# KiCad board st225_20301.kicad_pcb

Outline 136.78 x 199.14 mm; copper layers: Top, Bottom. Coordinates in mm from the lower left corner of the outline.
Outline path: 30.35,139.06 3.17,139.06 3.17,134.75 arc(2.77,133.76) 1.78,133.35 0,133.35 0,98.04 1.65,98.04 arc(2.64,97.63) 3.05,96.65 3.05,86.74 3.33,86.74 arc(4.32,86.33) 4.73,85.34 4.73,66.42 arc(4.32,65.43) 3.33,65.02 3.05,65.02 3.05,55.25 arc(2.64,54.26) 1.65,53.85 0,53.85 0,28.19 5.84,28.19 5.84,12.32 1.52,12.32 1.52,2.16 3.56,0.13 26.54,0.13 28.7,2.29 28.7,8.76 arc(29.11,9.75) 30.1,10.16 59.05,10.16 arc(60.04,9.75) 60.45,8.76 60.45,2.16 62.48,0.13 104.27,0.13 105.54,1.4 105.54,8.76 arc(105.95,9.75) 106.93,10.16 110.49,10.16 arc(111.48,9.75) 111.89,8.76 111.89,1.4 arc(112.3,0.41) 113.28,0 135.38,0 arc(136.37,0.41) 136.78,1.4 136.78,12.32 130.94,12.32 130.94,28.19 136.78,28.19 136.78,53.98 135.13,53.98 arc(134.14,54.38) 133.73,55.37 133.73,65.15 133.45,65.15 arc(132.46,65.56) 132.05,66.55 132.05,85.47 arc(132.46,86.46) 133.45,86.87 133.73,86.87 133.73,96.77 arc(134.14,97.76) 135.13,98.17 136.78,98.17 136.78,133.22 135.13,133.22 arc(134.14,133.63) 133.73,134.62 133.73,144.4 133.45,144.4 arc(132.46,144.81) 132.05,145.8 132.05,164.72 arc(132.46,165.71) 133.45,166.12 133.73,166.12 133.73,176.02 arc(134.14,177.01) 135.13,177.42 136.78,177.42 136.78,193.04 130.68,199.14 54.48,199.14 54.48,172.89 arc(50.84,149.97) 30.35,139.07 ; 66.93,81.41 69.98,81.41 69.98,75.06 arc(68.45,66.9) 66.93,75.06 66.93,81.41
Stack: Top 0.035mm / dielectric 1.51mm FR4 er 4.5 / Bottom 0.035mm

## Placement (name value [footprint] x y rotation side)
1D1  74123  [DIP254P762X635-16]  88.9 15.37 180 top
1E1  7406  [DIP254P762X635-14]  78.74 15.37 180 top
1F1  7438  [DIP254P762X635-14]  64.9 15.37 180 top
1H1  7406  [DIP254P762X635-14]  30.22 17.78 180 top
1J1  7438  [DIP254P762X635-14]  20.18 19.17 180 top
2H1  74LS74  [DIP254P762X635-14]  33.02 38.23 180 top
2J1  74HC74  [DIP254P762X635-14]  17.52 43.3 180 top
3J1  74LS14  [DIP254P762X635-14]  22.85 66.29 180 top
4A1  75453  [DIP254P762X635-8]  129.66 94.09 180 top
4B1  11695-002  [DIP254P762X635-8]  114.3 96.65 180 top
4H1  7445  [DIP254P762X635-16]  30.72 86.6 180 top
4J1  7409  [DIP254P762X635-14]  20.44 89.15 180 top
5B1  6500/1  [DIP254P1524X635-40]  119.51 127.13 270 top
5F1  ~  [DIP254P762X635-14]  62.35 111.88 180 top
5G1  091-001  [DIP254P762X635-14]  47.36 108.2 180 top
5H1  SSI 280  [DIP254P1524X635-28]  35.7 123.32 270 top
6D1  74273  [DIP254P762X635-20]  94.23 137.29 270 top
7D1  2716  [DIP254P1524X635-24]  91.7 156.47 270 top
8B1  7445  [DIP254P762X635-16]  113.41 167.64 180 top
8C1  7445  [DIP254P762X635-16]  103.24 162.68 180 top
8D1  11665-001  [DIP254P762X635-16]  88 160.27 180 top
9E1  11642-001  [DIP254P762X635-20]  79.27 189.35 270 top
C1  0.1uF  [C_Axial_L3.8mm_D2.6mm_P10.00mm_Horizontal]  63.25 179.24 270 top
C2  0.01uF  [C_Axial_L3.8mm_D2.6mm_P12.50mm_Horizontal]  65.53 119.59 90 top
C3  100pF  [C_Axial_L3.8mm_D2.6mm_P10.00mm_Horizontal]  52.83 139.02 90 top
C4  ?  [C_Axial_L3.8mm_D2.6mm_P10.00mm_Horizontal]  60.58 179.24 270 top
C5  ?  [C_Axial_L3.8mm_D2.6mm_P10.00mm_Horizontal]  58.04 179.24 270 top
C6  22pF  [C_Axial_L3.8mm_D2.6mm_P10.00mm_Horizontal]  63.96 191.9 0 top
C7  330pF  [C_Axial_L3.8mm_D2.6mm_P10.00mm_Horizontal]  50.21 129.79 180 top
C8  0.1uF  [C_Axial_L3.8mm_D2.6mm_P10.00mm_Horizontal]  37.97 106.09 270 top
C9  270pF  [C_Axial_L3.8mm_D2.6mm_P10.00mm_Horizontal]  33.07 128.4 180 top
C10  0.1uF  [C_Axial_L3.8mm_D2.6mm_P10.00mm_Horizontal]  15.41 135.51 180 top
C11  1uF  [C_Axial_L3.8mm_D2.6mm_P15.00mm_Horizontal]  19.55 135.51 0 top
C12  1uF  [C_Axial_L3.8mm_D2.6mm_P15.00mm_Horizontal]  20.33 129.16 180 top
C13  0.1uF  [C_Axial_L3.8mm_D2.6mm_P10.00mm_Horizontal]  15.41 132.33 180 top
C14  39pF  [C_Axial_L3.8mm_D2.6mm_P10.00mm_Horizontal]  35.56 95.46 90 top
C15  41pF  [C_Axial_L3.8mm_D2.6mm_P10.00mm_Horizontal]  4.57 91.22 90 top
C16  0.1uF  [C_Axial_L3.8mm_D2.6mm_P10.00mm_Horizontal]  7.75 94.44 90 top
C17  0.068uF  [C_Axial_L3.8mm_D2.6mm_P12.50mm_Horizontal]  12.7 73.51 90 top
C18  0.1uF  [C_Axial_L3.8mm_D2.6mm_P10.00mm_Horizontal]  126.16 194.69 180 top
C19  0.012uF  [C_Axial_L3.8mm_D2.6mm_P10.00mm_Horizontal]  63.96 196.85 0 top
C20  0.1uF  [C_Axial_L3.8mm_D2.6mm_P12.50mm_Horizontal]  100.84 106.71 270 top
C22  100pF  [C_Axial_L3.8mm_D2.6mm_P10.00mm_Horizontal]  91.31 39.29 270 top
C23  47uF  [C_Axial_L5.1mm_D3.1mm_P15.00mm_Horizontal]  97.03 27.93 90 top
C24  100uF  [C_Axial_L12.0mm_D6.5mm_P20.00mm_Horizontal]  126.24 12.1 90 top
C25  10uF  [C_Axial_L5.1mm_D3.1mm_P15.00mm_Horizontal]  115.07 16 180 top
C26  47uF  [C_Axial_L5.1mm_D3.1mm_P15.00mm_Horizontal]  115.07 19.69 180 top
C27  0.1uF  [C_Axial_L3.8mm_D2.6mm_P10.00mm_Horizontal]  121.92 12.02 90 top
C28  0.1uF  [C_Axial_L3.8mm_D2.6mm_P10.00mm_Horizontal]  53.34 25.35 90 top
C29  0.1uF  [C_Axial_L3.8mm_D2.6mm_P10.00mm_Horizontal]  121.92 24.84 90 top
C30  0.1uF  [C_Axial_L3.8mm_D2.6mm_P10.00mm_Horizontal]  67.64 160.02 0 top
C31  0.1uF  [C_Axial_L3.8mm_D2.6mm_P12.50mm_Horizontal]  100.68 91.57 0 top
C32  0.1uF  [C_Axial_L3.8mm_D2.6mm_P10.00mm_Horizontal]  24.05 15.37 180 top
C33  0.1uF  [C_Axial_L3.8mm_D2.6mm_P10.00mm_Horizontal]  33.02 25.35 90 top
C34  0.1uF  [C_Axial_L3.8mm_D2.6mm_P10.00mm_Horizontal]  72.47 11.3 0 top
C35  0.1uF  [C_Axial_L3.8mm_D2.6mm_P10.00mm_Horizontal]  115.36 12.19 180 top
C36  0.1uF  [C_Axial_L3.8mm_D2.6mm_P10.00mm_Horizontal]  10.24 40.01 0 top
C37  0.1uF  [C_Axial_L3.8mm_D2.6mm_P10.00mm_Horizontal]  15.15 62.36 0 top
C38  0.1uF  [C_Axial_L3.8mm_D2.6mm_P10.00mm_Horizontal]  10.16 94.39 90 top
C39  0.1uF  [C_Axial_L3.8mm_D2.6mm_P10.00mm_Horizontal]  122.63 105.54 0 top
C40  0.1uF  [C_Axial_L3.8mm_D2.6mm_P10.00mm_Horizontal]  90.22 109.22 180 top
C41  0.1uF  [C_Axial_L3.8mm_D2.6mm_P10.00mm_Horizontal]  118.16 132.33 180 top
C42  0.1uF  [C_Axial_L3.8mm_D2.6mm_P10.00mm_Horizontal]  109.39 153.8 180 top
C44  0.033uF  [C_Axial_L3.8mm_D2.6mm_P10.00mm_Horizontal]  2.29 40.59 90 top
CR1  1N4148  [D_DO-35_SOD27_P10.16mm_Horizontal]  108.46 33.15 0 top
CR2  1N5818  [D_DO-35_SOD27_P10.16mm_Horizontal]  115.44 27.94 180 top
CR3  1N5818  [D_DO-35_SOD27_P10.16mm_Horizontal]  111 74.8 270 top
CR4  1N5818  [D_DO-35_SOD27_P10.16mm_Horizontal]  133.6 108.08 180 top
D5  LED  [PinHeader_1x02_P2.54mm_Vertical]  110.74 188.72 90 top
J1  control  [EDGE_34_100]  83.06 4.83 0 top
J2  data  [EDGE_20_100]  15.11 5.21 0 top
J3  POWER  [Samtec_HPM-04-01-x-S_Straight_1x04_Pitch5.08mm]  132.33 5.84 270 top
J4  SPINDLE  [PinHeader_1x07_P2.54mm_Vertical]  130.05 43.05 180 top
J5  HEADS  [PinHeader_2x09_P2.54mm_Horizontal]  83.07 183.07 90 top
J6  STEPPER  [PinHeader_1x05_P2.54mm_Vertical]  120.78 152.78 180 top
J7  CONFIG  [PinHeader_2x08_P2.54mm_Horizontal]  53.34 22.86 270 top
L1  22uH  [L_Axial_L9.5mm_D4.0mm_P15.24mm_Horizontal_Fastron_SMCC]  59.82 154.44 270 top
L2  22uH  [L_Axial_L9.5mm_D4.0mm_P15.24mm_Horizontal_Fastron_SMCC]  56.01 154.44 270 top
L3  10uH  [L_Axial_L9.5mm_D4.0mm_P15.24mm_Horizontal_Fastron_SMCC]  53.6 132.59 180 top
L4  10uH  [L_Axial_L9.5mm_D4.0mm_P15.24mm_Horizontal_Fastron_SMCC]  53.6 136.78 180 top
L5  3.3uH  [L_Axial_L9.5mm_D4.0mm_P15.24mm_Horizontal_Fastron_SMCC]  34.55 131.83 180 top
L6  10uH  [L_Axial_L9.5mm_D4.0mm_P15.24mm_Horizontal_Fastron_SMCC]  118.75 11.93 90 top
Q1  BD436  [TO-126-3_Horizontal_TabDown]  125.03 51.56 90 top
Q2  2N6039  [TO-126-3_Horizontal_TabDown]  125.03 42.55 90 top
Q3  BD436  [TO-126-3_Horizontal_TabDown]  115 69.22 270 top
Q4  2N6039  [TO-126-3_Horizontal_TabDown]  115.01 78.11 270 top
Q5  BD436  [TO-126-3_Horizontal_TabDown]  105.54 47.06 180 top
Q6  2N3906  [TO-92_Wide_Reversed]  100.97 29.21 270 top
Q7  2N3904  [TO-92_Wide_Reversed]  116.2 106.31 0 top
Q8  2N3906  [TO-92_Wide_Reversed]  47.62 33.15 90 top
Q9  2N3906  [TO-92_Wide_Reversed]  25.4 58.04 0 top
Q10  2N3906  [TO-92_Wide_Reversed]  48.4 32.39 270 top
Q11  2N3906  [TO-92_Wide_Reversed]  117.71 138.43 90 top
Q12  2N3906  [TO-92_Wide_Reversed]  125.73 127.25 0 top
Q13  2N3904  [TO-92_Wide_Reversed]  50.81 111.89 270 top
R1  162  [R_Axial_DIN0207_L6.3mm_D2.5mm_P10.16mm_Horizontal]  60.58 156.85 90 top
R2  162  [R_Axial_DIN0207_L6.3mm_D2.5mm_P10.16mm_Horizontal]  58.04 156.85 90 top
R3  357  [R_Axial_DIN0207_L6.3mm_D2.5mm_P10.16mm_Horizontal]  40.13 127.38 0 top
R4  39  [R_Axial_DIN0207_L6.3mm_D2.5mm_P10.16mm_Horizontal]  21.72 126.11 0 top
R5  2.4K  [R_Axial_DIN0207_L6.3mm_D2.5mm_P10.16mm_Horizontal]  33.02 105.54 270 top
R6  100  [R_Axial_DIN0207_L6.3mm_D2.5mm_P10.16mm_Horizontal]  8.51 85.22 270 top
R7  54.9  [R_Axial_DIN0207_L6.3mm_D2.5mm_P10.16mm_Horizontal]  15.37 125.86 180 top
R8  2.8K  [R_Axial_DIN0204_L3.6mm_D1.6mm_P7.62mm_Horizontal]  22.86 52.32 90 top
R9  1K  [R_Axial_DIN0207_L6.3mm_D2.5mm_P10.16mm_Horizontal]  28.57 83.95 270 top
R10  47  [R_Axial_DIN0207_L6.3mm_D2.5mm_P10.16mm_Horizontal]  12.7 61.09 90 top
R11  1.37K  [R_Axial_DIN0204_L3.6mm_D1.6mm_P7.62mm_Horizontal]  22.86 41.78 90 top
R12  100  [R_Axial_DIN0207_L6.3mm_D2.5mm_P10.16mm_Horizontal]  116.08 192.41 0 top
R13  51  [R_Axial_DIN0207_L6.3mm_D2.5mm_P10.16mm_Horizontal]  132.46 140.97 270 top
R14  10K  [R_Axial_DIN0207_L6.3mm_D2.5mm_P10.16mm_Horizontal]  135.51 100.2 90 top
R15  470  [R_Axial_DIN0207_L6.3mm_D2.5mm_P10.16mm_Horizontal]  119.38 92.96 90 top
R16  3.3K  [R_Axial_DIN0207_L6.3mm_D2.5mm_P10.16mm_Horizontal]  135.51 120.65 90 top
R17  22.1K  [R_Axial_DIN0207_L6.3mm_D2.5mm_P10.16mm_Horizontal]  104.14 96.65 90 top
R18  2.2K  [R_Axial_DIN0207_L6.3mm_D2.5mm_P10.16mm_Horizontal]  115.44 22.61 180 top
R19  3.3K  [R_Axial_DIN0207_L6.3mm_D2.5mm_P10.16mm_Horizontal]  96.65 25.4 270 top
R20  330  [R_Axial_DIN0207_L6.3mm_D2.5mm_P10.16mm_Horizontal]  114.81 60.33 0 top
R22  200  [RESA700]  123.32 37.59 180 top
R23  750  [R_Axial_DIN0207_L6.3mm_D2.5mm_P10.16mm_Horizontal]  116.97 92.71 90 top
R24  470  [R_Axial_DIN0207_L6.3mm_D2.5mm_P10.16mm_Horizontal]  115.44 25.4 180 top
R25  560  [R_Axial_DIN0207_L6.3mm_D2.5mm_P10.16mm_Horizontal]  93.73 30.61 90 top
R26  100  [R_Axial_DIN0207_L6.3mm_D2.5mm_P10.16mm_Horizontal]  106.68 60.96 270 top
R27  0.39  [R_Axial_DIN0309_L9.0mm_D3.2mm_P20.32mm_Horizontal]  111 89.28 0 top
R28  330  [R_Axial_DIN0207_L6.3mm_D2.5mm_P10.16mm_Horizontal]  107.95 74.8 270 top
R29  200  [RESA700]  121.41 83.69 180 top
R30  6.8K  [R_Axial_DIN0207_L6.3mm_D2.5mm_P10.16mm_Horizontal]  107.82 87.76 270 top
R31  3.3K  [R_Axial_DIN0207_L6.3mm_D2.5mm_P10.16mm_Horizontal]  118.62 30.73 180 top
R32  6.2K  [R_Axial_DIN0207_L6.3mm_D2.5mm_P10.16mm_Horizontal]  97.92 96.65 90 top
R33  5.62K  [R_Axial_DIN0207_L6.3mm_D2.5mm_P10.16mm_Horizontal]  93.73 17.91 90 top
R34  47K  [R_Axial_DIN0207_L6.3mm_D2.5mm_P10.16mm_Horizontal]  91.31 16.51 90 top
R35  6.2K  [R_Axial_DIN0207_L6.3mm_D2.5mm_P10.16mm_Horizontal]  95.5 108.84 270 top
R36  6.2K  [R_Axial_DIN0207_L6.3mm_D2.5mm_P10.16mm_Horizontal]  70.74 179.32 270 top
R37  1K  [R_Axial_DIN0207_L6.3mm_D2.5mm_P10.16mm_Horizontal]  108.2 134.62 0 top
R38  39K  [R_Axial_DIN0207_L6.3mm_D2.5mm_P10.16mm_Horizontal]  28.57 71.12 270 top
R39  15  [R_Axial_DIN0309_L9.0mm_D3.2mm_P20.32mm_Horizontal]  113.41 143.26 90 top
R40  15  [R_Axial_DIN0309_L9.0mm_D3.2mm_P20.32mm_Horizontal]  131.32 167.64 90 top
R41  15  [R_Axial_DIN0309_L9.0mm_D3.2mm_P20.32mm_Horizontal]  128.52 143.38 90 top
R42  15  [R_Axial_DIN0309_L9.0mm_D3.2mm_P20.32mm_Horizontal]  122.81 148.46 270 top
R44  5.1  [R_Axial_DIN0207_L6.3mm_D2.5mm_P10.16mm_Horizontal]  49.91 111.89 90 top
R46  510  [R_Axial_DIN0207_L6.3mm_D2.5mm_P10.16mm_Horizontal]  74.04 194.44 180 top
R47  10  [R_Axial_DIN0204_L3.6mm_D1.6mm_P7.62mm_Horizontal]  111.25 94.23 180 top
R49  51  [R_Axial_DIN0204_L3.6mm_D1.6mm_P7.62mm_Horizontal]  110.49 78.87 90 top
R50  1K  [R_Axial_DIN0207_L6.3mm_D2.5mm_P10.16mm_Horizontal]  127.13 130.81 90 top
R51  1K  [R_Axial_DIN0204_L3.6mm_D1.6mm_P7.62mm_Horizontal]  48.39 104.9 180 top
R52  100  [R_Axial_DIN0207_L6.3mm_D2.5mm_P10.16mm_Horizontal]  124.71 150.75 90 top
R53  100  [R_Axial_DIN0207_L6.3mm_D2.5mm_P10.16mm_Horizontal]  129.92 140.97 270 top
R58  825  [R_Axial_DIN0207_L6.3mm_D2.5mm_P10.16mm_Horizontal]  109.98 109.22 180 top
R59  33K  [R_Axial_DIN0207_L6.3mm_D2.5mm_P10.16mm_Horizontal]  85.22 11.3 0 top
R60  10K  [R_Axial_DIN0204_L3.6mm_D1.6mm_P7.62mm_Horizontal]  20.32 37.59 180 top
R61  220  [R_Axial_DIN0204_L3.6mm_D1.6mm_P7.62mm_Horizontal]  35.56 25.53 0 top
R62  330  [R_Axial_DIN0204_L3.6mm_D1.6mm_P7.62mm_Horizontal]  43.18 33.15 90 top
R75  22  [R_Axial_DIN0207_L6.3mm_D2.5mm_P10.16mm_Horizontal]  65.53 179.2 270 top
R78  51  [R_Axial_DIN0204_L3.6mm_D1.6mm_P7.62mm_Horizontal]  131.95 92.33 90 top
R82  6.8K  [R_Axial_DIN0207_L6.3mm_D2.5mm_P10.16mm_Horizontal]  135.38 41.28 90 top
RP1  560  [R_Array_SIP6]  77.09 165.23 90 top
RP2  232  [R_Array_SIP6]  74.04 165.23 90 top
RP5  820  [R_Array_SIP8]  90.3 160.27 90 top
RP6  68  [R_Array_SIP8]  117.09 168.91 90 top
RP7  180  [R_Array_SIP8]  119.76 168.91 90 top
RP8  330  [R_Array_SIP8]  122.3 168.9 90 top
RP9  470  [R_Array_SIP8]  124.84 168.91 90 top
RP10  820  [R_Array_SIP8]  127.25 168.91 90 top
RP11  ~  [R_Array_SIP8]  67.94 13.58 90 top
RP12  5.6K  [R_Array_SIP6]  20.32 44.7 90 top
RP13  3.3K  [R_Array_SIP8]  25.53 65.02 90 top
RP14  330,220  [R_Array_SIP10]  35.56 53.47 270 top
TP1  TestPoint  [TestPoint_THTPad_1.5x1.5mm_Drill0.7mm]  49.78 141.22 0 top
TP2  TestPoint  [TestPoint_THTPad_1.5x1.5mm_Drill0.7mm]  44.7 141.22 0 top
TP3  TestPoint  [TestPoint_THTPad_1.5x1.5mm_Drill0.7mm]  47.24 141.22 0 top
TP4  TestPoint  [TestPoint_THTPad_D1.5mm_Drill0.7mm]  135.64 178.94 0 top
TP5  TestPoint  [TestPoint_THTPad_D1.5mm_Drill0.7mm]  135.51 181.48 0 top
TP6  TestPoint  [TestPoint_THTPad_D1.5mm_Drill0.7mm]  135.51 184.02 0 top
TP7  TestPoint  [TestPoint_THTPad_D1.5mm_Drill0.7mm]  135.51 186.69 0 top
TP8  TestPoint  [TestPoint_THTPad_D1.5mm_Drill0.7mm]  135.51 189.74 0 top
Y1  2MHz  [Crystal_HC49-U_Horizontal]  125.82 125.35 0 top

## Library data of the parts
1D1 = -: Description: Dual retriggerable Monostable
1E1 1H1 = -: Description: Inverter Open Collect
1F1 1J1 = -: Description: Quad Buffer 2-input NAND Open collector
2H1 2J1 = -: Description: Dual D Flip-flop, Set & Reset
3J1 = -: Description: Hex inverter schmitt trigger
4A1 = -: Description: quad 2-input NOR, open collector
4J1 = -: Description: Quad 2-input AND Open Collect
6D1 = -: Description: 8-bit D Flip-Flop, reset
C1-C10 C13-C20 C22 C27-C42 C44 = -: Description: Unpolarized capacitor, small symbol
C11 C12 C23-C26 = -: Description: Polarized capacitor, small US symbol
CR1-CR4 = -: Description: Diode, small symbol, filled shape; Sim.Device: D; Sim.Pins: 1=K 2=A
D5 = -: Description: Light emitting diode, small symbol, filled shape
J1 = -: Description: Generic connector, double row, 02x17, odd/even pin numbering scheme (row 1 odd numbers, row 2 even numbers), script generated (kicad-library-utils/schlib/autogen/connector/)
J2 = -: Description: Generic connector, double row, 02x10, odd/even pin numbering scheme (row 1 odd numbers, row 2 even numbers), script generated (kicad-library-utils/schlib/autogen/connector/)
J3 = -: Description: Generic connector, single row, 01x04, script generated (kicad-library-utils/schlib/autogen/connector/)
J4 = -: Description: Generic connector, single row, 01x07, script generated (kicad-library-utils/schlib/autogen/connector/)
J5 = -: Description: Generic connector, double row, 02x09, odd/even pin numbering scheme (row 1 odd numbers, row 2 even numbers), script generated (kicad-library-utils/schlib/autogen/connector/)
J6 = -: Description: Generic connector, single row, 01x05, script generated (kicad-library-utils/schlib/autogen/connector/)
J7 = -: Description: Generic connector, double row, 02x08, odd/even pin numbering scheme (row 1 odd numbers, row 2 even numbers), script generated (kicad-library-utils/schlib/autogen/connector/)
L1-L6 = -: Description: Inductor, small symbol
Q1 Q3 Q5 = -: Description: PNP transistor, emitter/collector/base
Q2 Q4 = -: Description: NPN transistor, emitter/collector/base
Q6 Q8-Q12 = -: Description: PNP transistor, emitter/base/collector
Q7 Q13 = -: Description: NPN transistor, emitter/base/collector
R1-R20 R22-R42 R44 R46 R47 R49-R53 R58-R62 R75 R78 R82 = -: Description: Resistor, small US symbol
RP1 RP2 = -: Description: 5 resistor network, star topology, bussed resistors, small US symbol
RP5-RP10 = -: Description: 4 resistor network, parallel topology, SIP package, split
RP11 = -: Description: Resistor array. 6.2K/3.3K
RP12 = -: Description: 5 resistor network, star topology, bussed resistors, split
RP13 = -: Description: 7 resistor network, star topology, bussed resistors, split
RP14 = -: Description: 8 voltage divider network, dual terminator, SIP package
TP1-TP8 = -: Description: test point
Y1 = -: Description: Two pin crystal, small symbol

## Footprints (pads in the part's own frame, mm; a bottom-side part is the same pattern mirrored in y, then rotated)
C_Axial_L3.8mm_D2.6mm_P10.00mm_Horizontal
  round 1.6 hole 0.8: 1(0,0)
  oval 1.6x1.6 hole 0.8: 2(10,0)
C_Axial_L3.8mm_D2.6mm_P12.50mm_Horizontal
  round 1.6 hole 0.8: 1(0,0)
  oval 1.6x1.6 hole 0.8: 2(12.5,0)
C_Axial_L3.8mm_D2.6mm_P15.00mm_Horizontal
  round 1.6 hole 0.8: 1(0,0)
  oval 1.6x1.6 hole 0.8: 2(15,0)
C_Axial_L5.1mm_D3.1mm_P15.00mm_Horizontal
  round 1.6 hole 0.8: 1(0,0)
  oval 1.6x1.6 hole 0.8: 2(15,0)
C_Axial_L12.0mm_D6.5mm_P20.00mm_Horizontal
  round 1.6 hole 0.8: 1(0,0)
  oval 1.6x1.6 hole 0.8: 2(20,0)
Crystal_HC49-U_Horizontal
  round 1.5 hole 0.8: 1(0,0) 2(4.9,0)
D_DO-35_SOD27_P10.16mm_Horizontal
  rect 1.6x1.6 hole 0.8: 1(0,0)
  oval 1.6x1.6 hole 0.8: 2(10.16,0)
DIP254P762X635-8
  rect 1.6x1.6 hole 0.8: 1(0,0)
  oval 1.6x1.6 hole 0.8: 2(0,-2.54) 3(0,-5.08) 4(0,-7.62) 5(7.62,-7.62) 6(7.62,-5.08) 7(7.62,-2.54) 8(7.62,0)
DIP254P762X635-14
  rect 1.6x1.6 hole 0.8: 1(0,0)
  oval 1.6x1.6 hole 0.8: 2(0,-2.54) 3(0,-5.08) 4(0,-7.62) 5(0,-10.16) 6(0,-12.7) 7(0,-15.24) 8(7.62,-15.24) 9(7.62,-12.7) 10(7.62,-10.16) 11(7.62,-7.62) 12(7.62,-5.08) 13(7.62,-2.54) 14(7.62,0)
DIP254P762X635-16
  rect 1.6x1.6 hole 0.8: 1(0,0)
  oval 1.6x1.6 hole 0.8: 2(0,-2.54) 3(0,-5.08) 4(0,-7.62) 5(0,-10.16) 6(0,-12.7) 7(0,-15.24) 8(0,-17.78) 9(7.62,-17.78) 10(7.62,-15.24) 11(7.62,-12.7) 12(7.62,-10.16) 13(7.62,-7.62) 14(7.62,-5.08) 15(7.62,-2.54) 16(7.62,0)
DIP254P762X635-20
  rect 1.6x1.6 hole 0.8: 1(0,0)
  oval 1.6x1.6 hole 0.8: 2(0,-2.54) 3(0,-5.08) 4(0,-7.62) 5(0,-10.16) 6(0,-12.7) 7(0,-15.24) 8(0,-17.78) 9(0,-20.32) 10(0,-22.86) 11(7.62,-22.86) 12(7.62,-20.32) 13(7.62,-17.78) 14(7.62,-15.24) 15(7.62,-12.7) 16(7.62,-10.16) 17(7.62,-7.62) 18(7.62,-5.08) 19(7.62,-2.54) 20(7.62,0)
DIP254P1524X635-24
  rect 1.6x1.6 hole 0.8: 1(0,0)
  oval 1.6x1.6 hole 0.8: 2(0,-2.54) 3(0,-5.08) 4(0,-7.62) 5(0,-10.16) 6(0,-12.7) 7(0,-15.24) 8(0,-17.78) 9(0,-20.32) 10(0,-22.86) 11(0,-25.4) 12(0,-27.94) 13(15.24,-27.94) 14(15.24,-25.4) 15(15.24,-22.86) 16(15.24,-20.32) 17(15.24,-17.78) 18(15.24,-15.24) 19(15.24,-12.7) 20(15.24,-10.16) 21(15.24,-7.62) 22(15.24,-5.08) 23(15.24,-2.54) 24(15.24,0)
DIP254P1524X635-28
  rect 1.6x1.6 hole 0.8: 1(0,0)
  oval 1.6x1.6 hole 0.8: 2(0,-2.54) 3(0,-5.08) 4(0,-7.62) 5(0,-10.16) 6(0,-12.7) 7(0,-15.24) 8(0,-17.78) 9(0,-20.32) 10(0,-22.86) 11(0,-25.4) 12(0,-27.94) 13(0,-30.48) 14(0,-33.02) 15(15.24,-33.02) 16(15.24,-30.48) 17(15.24,-27.94) 18(15.24,-25.4) 19(15.24,-22.86) 20(15.24,-20.32) 21(15.24,-17.78) 22(15.24,-15.24) 23(15.24,-12.7) 24(15.24,-10.16) 25(15.24,-7.62) 26(15.24,-5.08) 27(15.24,-2.54) 28(15.24,0)
DIP254P1524X635-40
  rect 1.6x1.6 hole 0.8: 1(0,0)
  oval 1.6x1.6 hole 0.8: 2(0,-2.54) 3(0,-5.08) 4(0,-7.62) 5(0,-10.16) 6(0,-12.7) 7(0,-15.24) 8(0,-17.78) 9(0,-20.32) 10(0,-22.86) 11(0,-25.4) 12(0,-27.94) 13(0,-30.48) 14(0,-33.02) 15(0,-35.56) 16(0,-38.1) 17(0,-40.64) 18(0,-43.18) 19(0,-45.72) 20(0,-48.26) 21(15.24,-48.26) 22(15.24,-45.72) 23(15.24,-43.18) 24(15.24,-40.64) 25(15.24,-38.1) 26(15.24,-35.56) 27(15.24,-33.02) 28(15.24,-30.48) 29(15.24,-27.94) 30(15.24,-25.4) 31(15.24,-22.86) 32(15.24,-20.32) 33(15.24,-17.78) 34(15.24,-15.24) 35(15.24,-12.7) 36(15.24,-10.16) 37(15.24,-7.62) 38(15.24,-5.08) 39(15.24,-2.54) 40(15.24,0)
EDGE_20_100
  oval 1.27x8.382 smd: 1(11.43,0) 3(8.89,0) 5(6.35,0) 7(3.81,0) 9(1.27,0) 11(-1.27,0) 13(-3.81,0) 15(-6.35,0) 17(-8.89,0) 19(-11.43,0)
  oval 1.27x8.382 smd far side: 2(11.43,0) 4(8.89,0) 6(6.35,0) 8(3.81,0) 10(1.27,0) 12(-1.27,0) 14(-3.81,0) 16(-6.35,0) 18(-8.89,0) 20(-11.43,0)
EDGE_34_100
  oval 1.27x8.382 smd: 1(20.32,0) 3(17.78,0) 5(15.24,0) 7(12.7,0) 9(10.16,0) 11(7.62,0) 13(5.08,0) 15(2.54,0) 17(0,0) 19(-2.54,0) 21(-5.08,0) 23(-7.62,0) 25(-10.16,0) 27(-12.7,0) 29(-15.24,0) 31(-17.78,0) 33(-20.32,0)
  oval 1.27x8.382 smd far side: 2(20.32,0) 4(17.78,0) 6(15.24,0) 8(12.7,0) 10(10.16,0) 12(7.62,0) 14(5.08,0) 16(2.54,0) 18(0,0) 20(-2.54,0) 22(-5.08,0) 24(-7.62,0) 26(-10.16,0) 28(-12.7,0) 30(-15.24,0) 32(-17.78,0) 34(-20.32,0)
L_Axial_L9.5mm_D4.0mm_P15.24mm_Horizontal_Fastron_SMCC
  round 2 hole 1: 1(0,0)
  oval 2x2 hole 1: 2(15.24,0)
PinHeader_1x02_P2.54mm_Vertical
  rect 1.7x1.7 hole 1: 1(0,0)
  oval 1.7x1.7 hole 1: 2(0,-2.54)
PinHeader_1x05_P2.54mm_Vertical
  rect 1.7x1.7 hole 1: 1(0,0)
  oval 1.7x1.7 hole 1: 2(0,-2.54) 3(0,-5.08) 4(0,-7.62) 5(0,-10.16)
PinHeader_1x07_P2.54mm_Vertical
  rect 1.7x1.7 hole 1: 1(0,0)
  oval 1.7x1.7 hole 1: 2(0,-2.54) 3(0,-5.08) 4(0,-7.62) 5(0,-10.16) 6(0,-12.7) 7(0,-15.24)
PinHeader_2x08_P2.54mm_Horizontal
  rect 1.7x1.7 hole 1: 1(0,0)
  oval 1.7x1.7 hole 1: 2(2.54,0) 3(0,-2.54) 4(2.54,-2.54) 5(0,-5.08) 6(2.54,-5.08) 7(0,-7.62) 8(2.54,-7.62) 9(0,-10.16) 10(2.54,-10.16) 11(0,-12.7) 12(2.54,-12.7) 13(0,-15.24) 14(2.54,-15.24) 15(0,-17.78) 16(2.54,-17.78)
PinHeader_2x09_P2.54mm_Horizontal
  rect 1.7x1.7 hole 1: 1(0,0)
  oval 1.7x1.7 hole 1: 2(2.54,0) 3(0,-2.54) 4(2.54,-2.54) 5(0,-5.08) 6(2.54,-5.08) 7(0,-7.62) 8(2.54,-7.62) 9(0,-10.16) 10(2.54,-10.16) 11(0,-12.7) 12(2.54,-12.7) 13(0,-15.24) 14(2.54,-15.24) 15(0,-17.78) 16(2.54,-17.78) 17(0,-20.32) 18(2.54,-20.32)
R_Array_SIP6
  rect 1.6x1.6 hole 0.8: 1(0,0)
  oval 1.6x1.6 hole 0.8: 2(2.54,0) 3(5.08,0) 4(7.62,0) 5(10.16,0) 6(12.7,0)
R_Array_SIP8
  rect 1.6x1.6 hole 0.8: 1(0,0)
  oval 1.6x1.6 hole 0.8: 2(2.54,0) 3(5.08,0) 4(7.62,0) 5(10.16,0) 6(12.7,0) 7(15.24,0) 8(17.78,0)
R_Array_SIP10
  rect 1.6x1.6 hole 0.8: 1(0,0)
  oval 1.6x1.6 hole 0.8: 2(2.54,0) 3(5.08,0) 4(7.62,0) 5(10.16,0) 6(12.7,0) 7(15.24,0) 8(17.78,0) 9(20.32,0) 10(22.86,0)
R_Axial_DIN0204_L3.6mm_D1.6mm_P7.62mm_Horizontal
  round 1.4 hole 0.7: 1(0,0)
  oval 1.4x1.4 hole 0.7: 2(7.62,0)
R_Axial_DIN0207_L6.3mm_D2.5mm_P10.16mm_Horizontal
  round 1.6 hole 0.8: 1(0,0)
  oval 1.6x1.6 hole 0.8: 2(10.16,0)
R_Axial_DIN0309_L9.0mm_D3.2mm_P20.32mm_Horizontal
  round 1.6 hole 0.8: 1(0,0)
  oval 1.6x1.6 hole 0.8: 2(20.32,0)
RESA700
  round 2.286 hole 1.524: 1(8.89,0) 2(-8.89,0)
Samtec_HPM-04-01-x-S_Straight_1x04_Pitch5.08mm
  rect 2.8x2.8 hole 1.75: 1(0,0)
  round 2.8 hole 1.75: 2(0,-5.08) 3(0,-10.16) 4(0,-15.24)
TestPoint_THTPad_1.5x1.5mm_Drill0.7mm
  rect 1.5x1.5 hole 0.7: 1(0,0)
TestPoint_THTPad_D1.5mm_Drill0.7mm
  round 1.5 hole 0.7: 1(0,0)
TO-92_Wide_Reversed
  rect 1.5x1.5 hole 0.8: 1(0,1.27)
  round 1.5 hole 0.8: 2(2.54,-1.27) 3(5.08,1.27)
TO-126-3_Horizontal_TabDown
  oval 3.2x3.2 hole 3.2 unplated: (2.54,11.1)
  rect 1.8x1.8 hole 1: 1(0,0)
  oval 1.8x1.8 hole 1: 2(2.54,0) 3(5.08,0)
